# KiCad board Backplane_v2.kicad_pcb (continued)
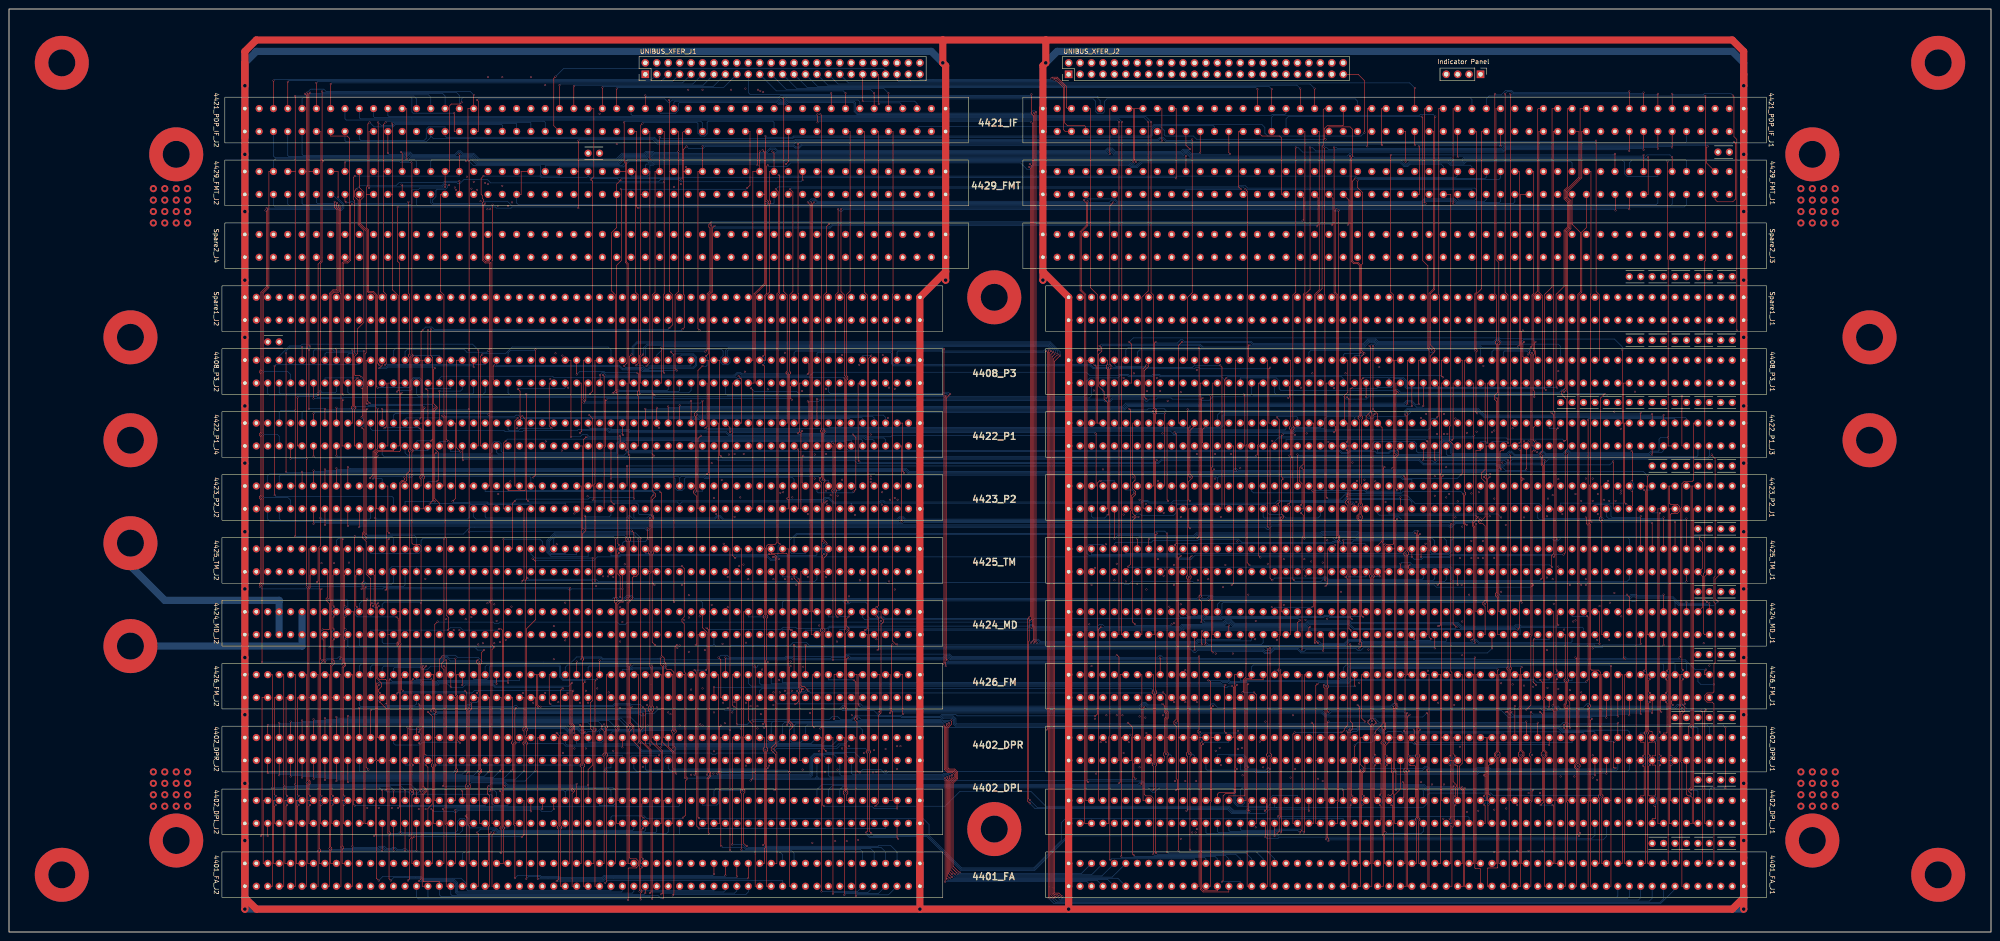
[diagram p0: board, top side]
## Routing (per net, layer and track width the routed paths; a pad name or vN(x,y) marks a point on that pad's centre or on a via; arc(x,y) is an arc through that point) (continued)
B2IO: length 51
  F.SigTop w0.127: 4429_FMT_J1.15 v2(362.88,172.59) ; v2(321.6,172.08) 4421_PDP_IF_J1.42
  B.Sig.Top w0.127: v2(362.88,172.59) 362.62,172.34 321.73,172.34 321.6,172.21 v2(321.6,172.08)
B2MDI: length 69.7
  F.SigTop w0.127: v2(320.58,161.8) 320.58,182.88 4421_PDP_IF_J1.41
  B.Sig.Top w0.127: v2(320.58,161.8) 320.84,161.54 365.67,161.54 366.05,161.93 4429_FMT_J1.14
BH2HD: length 322.2
  F.SigTop w0.127: v2(363.89,172.08) 363.89,163.83 4429_FMT_J1.16
  B.Sig.Top w0.127: 4421_PDP_IF_J2.96 58.71,172.34 59.09,171.96 87.92,171.96 88.17,172.21 88.43,172.21 88.94,171.7 102.52,171.7 103.8,170.43 135.42,170.43 136.69,171.7 141.64,171.7 142.02,172.08 142.4,172.08 142.66,171.83 319.95,171.83 320.46,171.32 322.62,171.32 323.12,171.83 363.64,171.83 v2(363.89,172.08)
BL2HD: length 210
  F.SigTop w0.127: v2(261.27,172.34) 4429_FMT_J1.79
  B.Sig.Top w0.127: 4421_PDP_IF_J2.94 61.88,172.47 62.14,172.21 87.79,172.21 88.05,172.47 88.68,172.47 89.19,171.96 102.65,171.96 103.92,170.69 135.29,170.69 136.56,171.96 141.51,171.96 141.89,172.34 142.53,172.34 142.78,172.08 261.02,172.08 v2(261.27,172.34)
BPPENB*: length 267.6
  F.SigTop w0.127: v2(130.08,77.85) 130.08,99.06 4423_P2_J2.57 ; 4425_TM_J1.12 v2(372.4,77.85)
  B.Sig.Top w0.127: v2(130.08,77.85) 130.34,77.6 194.73,77.6 194.98,77.34 196,77.34 196.25,77.6 247.31,77.6 247.69,77.22 248.57,77.22 249.21,77.85 262.8,77.85 263.05,77.6 372.15,77.6 v2(372.4,77.85)
BS2A1: length 310.6
  F.SigTop w0.127: 4401_FA_J1.7 378.5,15.24 378.5,50.67 378.12,51.05 376.97,51.05 376.46,51.56 376.46,52.58 376.97,53.09 378.24,53.09 378.5,53.34 v2(378.5,54.99) 378.5,59.56 378.75,59.82 378.75,73.02 378.5,73.28 378.5,78.74 378.75,78.99 378.75,105.16 377.99,105.92 v2(377.99,106.04) ; v2(188.76,104.52) 188.5,104.77 188.5,121.92 4408_P3_J2.12
  B.Sig.Top w0.127: 4426_FM_J1.9 374.94,55.63 375.58,54.99 v2(378.5,54.99) ; v2(188.76,104.52) 189.01,104.27 255.05,104.27 255.81,105.03 313.09,105.03 314.11,104.01 330.11,104.01 330.36,103.76 331.76,103.76 332.01,104.01 333.16,104.01 333.28,104.14 340.9,104.14 341.79,105.03 377.1,105.03 377.99,105.92 v2(377.99,106.04)
BS2A2: length 304.3
  F.SigTop w0.127: 4426_FM_J1.11 371.13,57.15 371.13,50.04 v2(371.38,49.78) ; v2(375.7,49.15) 375.96,48.89 375.96,15.24 4401_FA_J1.9 ; v2(208.32,60.33) 208.06,60.58 208.06,118.57 v2(208.95,119.46)
  B.Sig.Top w0.127: v2(371.38,49.78) 372.02,49.15 v2(375.7,49.15) ; v2(208.32,60.33) 208.57,60.07 372.15,60.07 372.4,59.82 4426_FM_J1.11 ; v2(208.95,119.46) 208.53,119.89 207.55,119.89 207.3,119.63 182.28,119.63 181.9,120.01 4408_P3_J2.18
BS2M1: length 135.4
  F.Sig.In w0.127: v2(171.87,97.66) 172.25,97.28 172.25,95.12 172.76,94.62 172.76,78.23 173.01,77.98 173.01,60.58 v2(173.52,60.07) ; v2(240.32,59.05) 4426_FM_J1.115
  B.Sig.In w0.127: v2(173.52,60.07) 182.66,60.07 182.79,59.94 206.16,59.94 207.55,58.55 208.44,58.55 208.82,58.93 240.19,58.93 v2(240.32,59.05) ; 4423_P2_J2.45 146.34,97.79 146.59,97.54 151.55,97.54 151.93,97.15 155.48,97.15 155.87,97.54 170.47,97.54 170.98,98.04 171.49,98.04 v2(171.87,97.66)
BS2M2: length 147.1
  F.Sig.In w0.127: 4423_P2_J2.46 147.36,93.98 147.36,73.91 147.1,73.66 147.1,72.77 147.36,72.52 147.36,48.89 v2(146.85,48.39) ; v2(241.08,47.37) 240.32,48.13 4426_FM_J1.116
  B.Sig.In w0.127: v2(146.85,48.39) 147.23,48.77 155.36,48.77 156.37,47.75 186.47,47.75 186.6,47.62 187.74,47.62 187.87,47.75 240.7,47.75 v2(241.08,47.37)
BUF2CLK: length 93.3
  F.SigTop w0.127: v2(382.94,175.51) 383.32,175.13 383.32,162.81 382.69,162.18 379.26,162.18 378.75,162.69 4429_FMT_J1.6 ; 4421_PDP_IF_J1.48 v2(312.07,174.75)
  B.Sig.Top w0.127: v2(382.94,175.51) 382.43,175.01 312.33,175.01 v2(312.07,174.75)
BUSA01*: length 91.9
  F.SigTop w0.127: v2(58.71,189.1) 4421_PDP_IF_J2.95
  B.Sig.Top w0.127: UNIBUS_XFER_J1.3 142.66,189.36 58.96,189.36 v2(58.71,189.1)
BUSA02*: length 91.1
  F.SigTop w0.127: 4421_PDP_IF_J2.93 v2(61.88,188.85)
  B.Sig.Top w0.127: UNIBUS_XFER_J1.5 144.94,189.1 62.14,189.1 v2(61.88,188.85)
BUSA03*: length 87.1
  F.SigTop w0.127: v2(68.24,188.59) 4421_PDP_IF_J2.89
  B.Sig.Top w0.127: v2(68.24,188.59) 68.49,188.85 147.23,188.85 UNIBUS_XFER_J1.7
BUSA04*: length 86.4
  F.SigTop w0.127: 4421_PDP_IF_J2.87 v2(71.41,188.34)
  B.Sig.Top w0.127: v2(71.41,188.34) 71.66,188.59 149.51,188.59 UNIBUS_XFER_J1.9
BUSA05*: length 38
  F.SigTop w0.127: v2(122.21,188.09) 4421_PDP_IF_J2.55
  B.Sig.Top w0.127: UNIBUS_XFER_J1.11 151.8,188.34 122.46,188.34 v2(122.21,188.09)
BUSA06*: length 37.2
  F.SigTop w0.127: 4421_PDP_IF_J2.53 v2(125.38,187.83)
  B.Sig.Top w0.127: v2(125.38,187.83) 125.64,188.09 154.09,188.09 UNIBUS_XFER_J1.13
BUSA07*: length 33.2
  F.SigTop w0.127: v2(131.74,187.58) 4421_PDP_IF_J2.49
  B.Sig.Top w0.127: UNIBUS_XFER_J1.15 156.37,187.83 131.99,187.83 v2(131.74,187.58)
BUSA08*: length 32.4
  F.SigTop w0.127: 4421_PDP_IF_J2.47 v2(134.91,187.32)
  B.Sig.Top w0.127: UNIBUS_XFER_J1.17 158.66,187.58 135.16,187.58 v2(134.91,187.32)
BUSA09*: length 26.3
  F.SigTop w0.127: v2(182.54,186.31) 4421_PDP_IF_J2.17
  B.Sig.Top w0.127: v2(182.54,186.31) 182.54,186.06 164.5,186.06 164.12,186.44 UNIBUS_XFER_J1.19
BUSA10*: length 24.2
  F.SigTop w0.127: v2(185.71,186.31) 4421_PDP_IF_J2.15
  B.Sig.Top w0.127: v2(185.71,186.31) 185.2,186.82 170.34,186.82 UNIBUS_XFER_J1.21
BUSA11*: length 28
  F.SigTop w0.127: v2(192.06,186.31) 4421_PDP_IF_J2.11
  B.Sig.Top w0.127: UNIBUS_XFER_J1.23 172.63,187.07 191.3,187.07 v2(192.06,186.31)
BUSA12*: length 28.7
  F.SigTop w0.127: v2(195.24,186.31) 4421_PDP_IF_J2.9
  B.Sig.Top w0.127: v2(195.24,186.31) 194.22,187.32 174.92,187.32 UNIBUS_XFER_J1.25
BUSA13*: length 108.6
  F.SigTop w0.127: v2(277.15,187.2) 4421_PDP_IF_J1.69
  B.Sig.Top w0.127: v2(277.15,187.2) 276.77,187.58 177.2,187.58 UNIBUS_XFER_J1.27
BUSA14*: length 109.2
  F.SigTop w0.127: v2(280.32,187.2) 280.32,182.88
  B.Sig.Top w0.127: UNIBUS_XFER_J1.29 179.49,187.83 279.69,187.83 v2(280.32,187.2)
BUSA15*: length 113.1
  F.SigTop w0.127: v2(286.68,187.32) 4421_PDP_IF_J1.63
  B.Sig.Top w0.127: UNIBUS_XFER_J1.31 181.77,188.09 285.91,188.09 v2(286.68,187.32)
BUSA16*: length 113.7
  F.SigTop w0.127: v2(289.85,187.32) 4421_PDP_IF_J1.61
  B.Sig.Top w0.127: v2(289.85,187.32) 288.83,188.34 184.06,188.34 UNIBUS_XFER_J1.33
BUSA17*: length 133.5
  F.SigTop w0.127: v2(312.07,187.45) 4421_PDP_IF_J1.47
  B.Sig.Top w0.127: v2(312.07,187.45) 310.93,188.59 186.35,188.59 UNIBUS_XFER_J1.35
BUSBBSY*: length 50.5
  F.SigTop w0.127: v2(232.45,189.1) 232.57,189.1 234.1,187.58 234.1,178.18 234.48,177.8 4421_PDP_IF_J1.96
  B.Sig.Top w0.127: UNIBUS_XFER_J1.45 197.14,189.23 197.52,188.85 232.19,188.85 v2(232.45,189.1)
BUSBGIN: length 40.7
  F.SigTop w0.127: v2(231.43,189.61) 231.68,189.87 232.7,189.87 234.73,187.83 234.73,183.13 234.99,182.88 4421_PDP_IF_J1.95
  B.Sig.Top w0.127: v2(231.43,189.61) 231.18,189.36 202.22,189.36 UNIBUS_XFER_J1.49
BUSBGOUT: length 119.3
  F.SigTop w0.127: v2(300.9,177.55) 300.9,189.1 299.5,190.5 UNIBUS_XFER_J2.49
  B.Sig.Top w0.127: v2(300.9,177.55) 300.14,176.78 279.44,176.78 278.8,177.42 278.8,178.69 278.17,179.32 254.16,179.32 253.78,178.94 201.97,178.94 201.58,178.56 4421_PDP_IF_J2.6
BUSBR*: length 14
  F.SigTop w0.127: UNIBUS_XFER_J1.41 193.08,190.5 v2(193.08,183.9)
  B.Sig.Top w0.127: 4421_PDP_IF_J2.7 198.41,183.51 197.77,184.15 193.33,184.15 v2(193.08,183.9)
BUSC01*: length 163.8
  F.Sig.In w0.127: v2(131.1,181.74) 131.1,178.44 4421_PDP_IF_J2.50
  B.Sig.In w0.127: v2(131.1,181.74) 131.74,181.1 180.38,181.1 180.63,181.36 280.58,181.36 281.47,182.25 281.47,189.99 UNIBUS_XFER_J2.37
BUSD00*: length 137
  F.Sig.In w0.127: v2(106.33,189.87) 4421_PDP_IF_J2.65
  B.Sig.In w0.127: v2(106.33,189.87) 107.35,188.85 230.03,188.85 231.68,190.5 UNIBUS_XFER_J2.1
BUSD01*: length 137.5
  F.Sig.In w0.127: v2(109.51,189.87) 4421_PDP_IF_J2.63
  B.Sig.In w0.127: v2(109.51,189.87) 110.27,189.1 229.91,189.1 232.45,191.64 237.4,191.64 237.78,191.26 UNIBUS_XFER_J2.3
BUSD02*: length 133.3
  F.Sig.In w0.127: v2(115.86,189.87) 4421_PDP_IF_J2.59
  B.Sig.In w0.127: UNIBUS_XFER_J2.5 238.92,191.9 232.32,191.9 229.78,189.36 116.37,189.36 v2(115.86,189.87)
BUSD03*: length 130
  F.Sig.In w0.127: v2(119.04,188.09) 119.04,182.88
  B.Sig.In w0.127: v2(119.04,188.09) 119.54,188.59 240.95,188.59 UNIBUS_XFER_J2.7
BUSD04*: length 100.2
  F.Sig.In w0.127: v2(150.79,187.07) 4421_PDP_IF_J2.37
  B.Sig.In w0.127: UNIBUS_XFER_J2.9 243.24,188.34 152.06,188.34 v2(150.79,187.07)
BUSD05*: length 99.6
  F.Sig.In w0.127: v2(153.96,187.07) 4421_PDP_IF_J2.35
  B.Sig.In w0.127: v2(153.96,187.07) 154.98,188.09 245.53,188.09 UNIBUS_XFER_J2.11
BUSD06*: length 95.8
  F.Sig.In w0.127: v2(160.31,187.07) 4421_PDP_IF_J2.31
  B.Sig.In w0.127: v2(160.31,187.07) 161.07,187.83 247.81,187.83 UNIBUS_XFER_J2.13
BUSD07*: length 95.3
  F.Sig.In w0.127: v2(163.49,187.32) 4421_PDP_IF_J2.29
  B.Sig.In w0.127: UNIBUS_XFER_J2.15 250.1,187.58 163.74,187.58 v2(163.49,187.32)
BUSD08*: length 95.1
  F.Sig.In w0.127: 4421_PDP_IF_J2.27 166.28,183.26 v2(166.28,187.07)
  B.Sig.In w0.127: v2(166.28,187.07) 166.53,187.32 252.38,187.32 UNIBUS_XFER_J2.17
BUSD09*: length 99.4
  F.Sig.In w0.127: 4421_PDP_IF_J2.25 169.83,183.9 169.45,184.28 167.17,184.28 166.79,184.66 v2(166.79,186.82)
  B.Sig.In w0.127: v2(166.79,186.82) 167.04,187.07 254.67,187.07 UNIBUS_XFER_J2.19
BUSD10*: length 106.9
  F.Sig.In w0.127: v2(167.42,186.56) 167.3,186.44 167.3,184.91 167.68,184.53 175.55,184.53 176.19,183.9 4421_PDP_IF_J2.21
  B.Sig.In w0.127: v2(167.42,186.56) 167.68,186.82 256.96,186.82 UNIBUS_XFER_J2.21
BUSD11*: length 87
  B.Sig.In w0.127: UNIBUS_XFER_J2.23 259.24,186.56 196.38,186.56 195.62,185.8 182.28,185.8 4421_PDP_IF_J2.19
BUSD12*: length 9.5
  B.Sig.In w0.127: UNIBUS_XFER_J2.25 265.72,189.23 261.27,184.78 4421_PDP_IF_J1.79
BUSD13*: length 9.2
  B.Sig.In w0.127: 4421_PDP_IF_J1.77 264.45,185.42 268.26,189.23 UNIBUS_XFER_J2.27
BUSD14*: length 7.6
  B.Sig.In w0.127: UNIBUS_XFER_J2.29 4421_PDP_IF_J1.73
BUSD15*: length 7.9
  B.Sig.In w0.127: 4421_PDP_IF_J1.71 273.34,183.51 UNIBUS_XFER_J2.31
BUSINIT*: length 176.6
  B.Sig.In w0.127: 4421_PDP_IF_J2.54 127.29,175.89 144.56,175.89 144.94,176.28 160.94,176.28 161.83,177.16 161.83,179.83 162.34,180.34 180.76,180.34 181.01,180.59 287.18,180.59 288.58,181.99 UNIBUS_XFER_J2.43
BUSINTR*: length 19.4
  F.SigTop w0.127: v2(189.52,184.53) UNIBUS_XFER_J1.39
  B.Sig.Top w0.127: v2(189.52,184.53) 201.08,184.53 201.58,184.02 4421_PDP_IF_J2.5
BUSMSYN*: length 87.9
  F.SigTop w0.127: 4421_PDP_IF_J2.56 120.94,179.07 120.94,189.61 v2(121.32,189.99)
  B.Sig.Top w0.127: v2(121.32,189.99) 123.1,191.77 194.22,191.77 194.6,191.39 UNIBUS_XFER_J1.43
BUSNPGIN: length 51
  F.SigTop w0.127: v2(231.94,189.36) 232.19,189.61 232.57,189.61 234.35,187.83 234.35,179.7 234.99,179.07 238.8,179.07 239.05,178.82 4421_PDP_IF_J1.94
  B.Sig.Top w0.127: v2(231.94,189.36) 231.68,189.1 200.06,189.1 199.68,189.48 UNIBUS_XFER_J1.47
BUSNPGOUT: length 131.1
  B.Sig.In w0.127: 4421_PDP_IF_J2.22 177.33,178.94 294.04,178.94 294.68,179.58 294.68,190.37 294.55,190.5 UNIBUS_XFER_J2.47
BUSNPR*: length 144.9
  B.Sig.In w0.127: UNIBUS_XFER_J2.41 287.82,188.72 287.82,181.99 286.68,180.85 180.88,180.85 180.63,180.59 162.21,180.59 161.58,179.96 161.58,177.29 160.82,176.53 157.39,176.53 157.13,176.78 4421_PDP_IF_J2.34
BUSSACK*: length 136.1
  B.Sig.In w0.127: UNIBUS_XFER_J2.39 284.77,189.23 284.77,182.25 283.63,181.1 180.76,181.1 180.5,180.85 161.58,180.85 160.31,179.58 4421_PDP_IF_J2.32
BUSSSYN*: length 172.8
  F.Sig.In w0.127: v2(134.91,175.01) 4421_PDP_IF_J2.48
  B.Sig.In w0.127: v2(134.91,175.01) 135.55,175.64 144.69,175.64 145.07,176.02 161.07,176.02 162.09,177.04 162.09,178.69 162.6,179.2 290.74,179.2 291.12,179.58 UNIBUS_XFER_J2.45
CA3WRT: length 109.5
  F.SigTop w0.127: 4424_MD_J1.16 v2(367.32,63.75) ; 297.72,43.18 4402_DPR_J1.69 ; 297.72,43.18 297.72,29.21 4402_DPL_J1.69 ; 297.72,43.18 297.72,44.58 298.23,45.09 298.23,46.36 297.72,46.86 v2(297.72,63.88)
  B.Sig.Top w0.127: v2(297.72,63.88) 298.11,63.5 351.83,63.5 352.08,63.25 353.73,63.25 353.99,63.5 367.07,63.5 v2(367.32,63.75)
CB2A1E*: length 225.1
  F.Sig.In w0.127: v2(343.95,124.59) 343.19,123.82 343.19,115.82 343.44,115.57 343.44,113.03 4422_P1_J3.33
  B.Sig.In w0.127: 4408_P3_J2.56 133.64,122.68 133.89,122.94 184.31,122.94 184.95,123.57 248.32,123.57 249.34,124.59 263.18,124.59 263.43,124.33 264.2,124.33 264.45,124.59 v2(343.95,124.59)
CB2A2E*: length 166.3
  F.Sig.In w0.127: 4408_P3_J2.20 178.34,121.92 178.34,106.55 v2(178.85,106.04)
  B.Sig.In w0.127: v2(178.85,106.04) 179.36,105.54 275.75,105.54 276.9,106.68 295.44,106.68 295.82,106.3 306.36,106.3 306.74,106.68 307.88,106.68 308.52,106.04 310.04,106.04 310.42,106.43 310.42,108.46 310.93,108.97 311.95,108.97 312.46,108.46 312.46,107.19 312.84,106.81 321.6,106.81 4422_P1_J3.52
CB2A2M*: length 119.1
  F.SigTop w0.127: v2(279.94,125.35) 279.69,125.09 279.69,113.03 4422_P1_J3.83
  B.Sig.Top w0.127: 4408_P3_J2.19 179.36,128.52 179.61,128.78 195.62,128.78 195.87,128.52 195.87,126.24 196.38,125.73 240.07,125.73 240.7,125.09 263.18,125.09 263.43,125.35 264.2,125.35 264.45,125.09 279.69,125.09 v2(279.94,125.35)
CB14*: length 359.7
  F.SigTop w0.127: v2(230.8,129.29) v2(230.8,7.49)
  B.Sig.Top w0.127: 4401_FA_J1.14 369.86,9.52 366.68,6.35 231.94,6.35 v2(230.8,7.49) ; v2(230.8,129.29) 230.54,129.54 230.16,129.54 229.65,129.03 207.43,129.03 207.17,129.29 159.68,129.29 159.42,129.03 159.42,128.02 160.06,127.38 160.06,126.49 159.55,125.98 158.53,125.98 158.02,126.49 158.02,127.51 158.53,128.02 158.53,129.03 158.15,129.41 145.07,129.41 143.8,128.14 4408_P3_J2.47
CB15*: length 357.3
  F.SigTop w0.127: v2(144.82,129.79) 144.82,121.92 4408_P3_J2.48 ; v2(231.43,7.49) 231.05,7.87 231.05,128.78 v2(231.3,129.03)
  B.Sig.Top w0.127: v2(231.3,129.03) 231.3,129.41 230.67,130.05 145.07,130.05 v2(144.82,129.79) ; 4401_FA_J1.16 367.32,7.37 366.56,6.6 232.32,6.6 v2(231.43,7.49)
CB16*: length 352.2
  F.SigTop w0.127: v2(231.81,128.78) 231.3,128.27 231.3,8.25 v2(232.06,7.49)
  B.Sig.Top w0.127: v2(232.06,7.49) 232.7,6.86 364.14,6.86 364.78,7.49 4401_FA_J1.18 ; 4408_P3_J2.49 141.26,129.79 141.77,130.3 230.8,130.3 231.81,129.29 v2(231.81,128.78)
CB17*: length 356.5
  F.SigTop w0.127: v2(140.75,128.27) 140.24,127.76 140.24,121.92 4408_P3_J2.50 ; v2(232.57,7.87) 232.19,7.87 231.56,8.51 231.56,127.76 v2(232.32,128.52)
  B.Sig.Top w0.127: v2(232.57,7.87) 233.33,7.11 361.73,7.11 362.24,7.62 4401_FA_J1.20 ; v2(232.32,128.52) 232.32,129.16 230.92,130.56 141.64,130.56 140.88,129.79 140.88,128.4 v2(140.75,128.27)
CB18*: length 349.9
  F.SigTop w0.127: v2(233.21,7.87) 232.82,8.26 232.18,8.26 231.81,8.64 231.81,127.25 v2(232.83,128.27)
  B.Sig.Top w0.127: 4401_FA_J1.22 359.7,7.87 359.19,7.37 233.72,7.37 v2(233.21,7.87) ; v2(232.83,128.27) 232.83,129.03 231.05,130.81 139.48,130.81 138.72,130.05 4408_P3_J2.51
CB19*: length 354.3
  F.SigTop w0.127: v2(233.33,128.02) 232.06,126.75 232.06,8.76 232.19,8.64 233.08,8.64 v2(233.84,7.87) ; 4408_P3_J2.52 137.7,121.92 137.7,127.76 v2(138.21,128.27)
  B.Sig.Top w0.127: 4401_FA_J1.24 357.16,8 356.78,7.62 234.1,7.62 v2(233.84,7.87) ; v2(233.33,128.02) 233.33,128.9 231.18,131.06 139.36,131.06 138.34,130.05 138.34,128.4 v2(138.21,128.27)
CBCLKE*: length 76.9
  F.SigTop w0.127: 4422_P1_J3.115 241.34,113.03 241.34,125.6 v2(240.95,125.98) ; 4423_P2_J1.94 269.28,93.98 269.28,125.48 v2(268.89,125.86)
  B.Sig.Top w0.127: v2(240.95,125.98) 241.08,125.86 243.62,125.86 243.88,126.11 244.38,126.11 245.15,125.35 262.67,125.35 263.18,125.86 ; 263.18,125.86 v2(268.89,125.86) ; 263.18,125.86 4408_P3_J1.97
CTLCLK: length 68.5
  F.SigTop w0.127: 4421_PDP_IF_J1.50 310.04,177.8 v2(310.04,171.07)
  B.Sig.Top w0.127: v2(310.04,171.07) 310.3,171.32 319.69,171.32 320.2,170.81 322.87,170.81 323.38,171.32 358.3,171.32 358.68,170.94 358.68,168.4 359.32,167.77 366.05,167.77 4429_FMT_J1.13
DA2PNL: length 120.8
  F.Sig.In w0.127: v2(280.45,109.09) 279.94,109.6 279.94,124.59 280.96,125.6 4408_P3_J1.83
  B.Sig.In w0.127: v2(280.45,109.09) 280.32,109.22 179.61,109.22 179.36,108.97 4422_P1_J4.20
DA08*: length 193.8
  F.SigTop w0.127: 294.68,107.95 294.68,141.48 294.17,141.99 v2(294.17,174.24) ; 294.68,107.95 v2(294.68,87.5) ; 294.68,107.95 4422_P1_J3.74 ; 4421_PDP_IF_J1.12 v2(369.23,174.24)
  B.Sig.Top w0.127: 4425_TM_J1.53 319.06,87 318.43,87.63 299.25,87.63 298.99,87.88 295.18,87.88 294.8,87.5 v2(294.68,87.5) ; v2(294.17,174.24) 294.68,174.24 294.93,173.99 331.38,173.99 331.89,174.5 368.97,174.5 v2(369.23,174.24)
DA09*: length 204.5
  F.SigTop w0.127: 292.14,107.95 v2(292.14,78.11) ; 292.14,107.95 4422_P1_J3.76 ; 292.14,107.95 292.14,141.48 292.01,141.61 v2(292.01,174.24) ; 4421_PDP_IF_J1.14 v2(366.05,173.99)
  B.Sig.Top w0.127: v2(366.05,173.99) 365.8,174.24 332.01,174.24 331.51,173.74 293.02,173.74 292.52,174.24 v2(292.01,174.24) ; 4425_TM_J1.54 319.06,78.23 318.68,77.85 292.39,77.85 v2(292.14,78.11)
DA10*: length 198.8
  F.SigTop w0.127: v2(288.83,174.24) 288.83,142.75 287.56,141.48 287.56,107.95 ; 4421_PDP_IF_J1.16 v2(362.88,173.74) ; 287.56,107.95 v2(287.56,87.38) ; 287.56,107.95 4422_P1_J3.78
  B.Sig.Top w0.127: 4425_TM_J1.55 316.52,86.87 316.01,87.38 299.12,87.38 298.87,87.63 295.56,87.63 294.93,87 294.42,87 293.79,87.63 287.82,87.63 v2(287.56,87.38) ; v2(362.88,173.74) 362.62,173.99 332.14,173.99 331.63,173.48 290.1,173.48 289.34,174.24 v2(288.83,174.24)
DA11*: length 210.4
  F.SigTop w0.127: 285.02,107.95 285.02,111.51 285.28,111.76 285.28,112.14 285.02,112.39 285.02,141.48 285.66,142.11 v2(285.66,174.24) ; 285.02,107.95 285.02,78.36 v2(285.28,78.11) ; 285.02,107.95 4422_P1_J3.80 ; 4421_PDP_IF_J1.18 v2(359.7,173.48)
  B.Sig.Top w0.127: 4425_TM_J1.56 316.52,78.49 316.14,78.11 292.77,78.11 292.26,78.61 292.01,78.61 291.25,77.85 285.53,77.85 v2(285.28,78.11) ; v2(359.7,173.48) 359.45,173.74 332.27,173.74 331.76,173.23 287.18,173.23 286.17,174.24 v2(285.66,174.24)
DA12*: length 189
  F.SigTop w0.127: v2(314.74,109.09) 315,108.84 315,85.09 4425_TM_J1.57 313.47,84.58 v2(313.47,83.31) ; 4421_PDP_IF_J1.24 349.16,177.8 349.16,167.51 345.98,164.34 345.98,163.19 346.75,162.43 346.75,156.21 345.98,155.45 345.98,107.31 345.48,106.81 345.48,84.2 v2(345.1,83.82)
  B.Sig.Top w0.127: v2(345.1,83.82) 320.08,83.82 319.69,83.44 313.6,83.44 v2(313.47,83.31) ; 4422_P1_J3.82 283.5,109.35 314.49,109.35 v2(314.74,109.09)
DA13*: length 205.7
  F.SigTop w0.127: 4422_P1_J3.84 279.94,107.95 279.94,78.61 v2(280.45,78.11) ; v2(345.22,109.09) 345.48,109.09 345.73,109.35 345.73,118.36 344.71,119.38 344.71,120.01 345.48,120.78 345.48,155.7 346.24,156.46 346.24,162.18 345.48,162.94 345.48,164.59 348.52,167.64 348.52,177.8 4421_PDP_IF_J1.26
  B.Sig.Top w0.127: v2(280.45,78.11) 280.96,78.61 291.63,78.61 291.88,78.87 292.39,78.87 292.9,78.36 313.73,78.36 313.98,78.61 4425_TM_J1.58 ; 4422_P1_J3.84 280.96,108.97 281.72,109.73 332.39,109.73 332.65,109.47 344.84,109.47 v2(345.22,109.09)
DA14*: length 189.3
  F.SigTop w0.127: v2(311.44,83.31) 4425_TM_J1.59 ; v2(342.94,83.31) 343.19,83.57 343.19,115.44 342.94,115.7 342.94,141.48 342.81,141.61 342.81,177.8 343.82,177.8 ; 4422_P1_J3.86 277.4,107.95 277.4,83.57 v2(277.79,83.18)
  B.Sig.Top w0.127: v2(277.79,83.18) 277.91,83.31 v2(311.44,83.31) 311.95,82.8 313.6,82.8 313.98,83.18 319.82,83.18 320.2,83.57 342.68,83.57 v2(342.94,83.31)
DA15*: length 199
  F.SigTop w0.127: 4421_PDP_IF_J1.30 339.63,177.8 339.63,142.12 340.4,141.35 340.4,106.81 339.89,106.3 339.89,105.66 340.14,105.41 340.14,103.76 340.4,103.5 340.4,78.61 v2(340.14,78.36) ; v2(310.93,81.53) 310.68,81.28 310.68,80.77 4425_TM_J1.60 ; 4422_P1_J3.88 274.86,107.95 274.86,82.04 v2(275.37,81.53)
  B.Sig.Top w0.127: v2(275.37,81.53) 275.63,81.28 310.68,81.28 v2(310.93,81.53) 311.19,81.28 319.95,81.28 320.33,80.9 320.33,78.23 320.46,78.11 339.89,78.11 v2(340.14,78.36)
DALD*: length 88.2
  F.SigTop w0.127: 4422_P1_J4.19 v2(179.36,118.36) ; v2(252.51,118.36) 252,118.87 252,124.65 253.02,125.67 4408_P3_J1.105
  B.Sig.Top w0.127: v2(252.51,118.36) 252.26,118.62 244.89,118.62 244.38,118.11 243.37,118.11 243.11,118.36 v2(179.36,118.36)
DBLSW*: length 240.2
  F.Sig.In w0.127: v2(356.4,115.57) 356.14,115.82 356.14,127 4408_P3_J1.23
  B.Sig.In w0.127: v2(356.4,115.57) 356.14,115.32 343.06,115.32 342.56,115.82 326.68,115.82 326.17,116.33 310.04,116.33 309.54,116.84 302.04,116.84 301.28,116.08 270.42,116.08 269.02,114.68 194.85,114.68 194.6,114.43 163.36,114.43 162.98,114.05 132.12,114.05 4422_P1_J4.57
DCHO01*: length 192.6
  F.SigTop w0.127: 4424_MD_J1.27 353.1,71.12 v2(353.1,64.01) ; 293.02,182.88 292.01,182.88 291.75,182.63 291.75,174.75 291.5,174.5 291.5,142.88 290.1,141.48 290.1,64.64 v2(290.61,64.13)
  B.Sig.Top w0.127: v2(290.61,64.13) 290.87,63.88 296.58,63.88 297.47,64.77 300.01,64.77 300.52,64.26 324.77,64.26 325.28,64.77 325.54,64.77 326.3,64.01 v2(353.1,64.01)
DE07*: length 48.7
  F.SigTop w0.127: v2(340.01,28.19) 340.65,28.83 340.65,38.74 341.16,39.24 341.16,39.75 340.65,40.26 340.65,51.43 340.4,51.69 340.4,55.5 v2(339.89,56.01) ; 4401_FA_J1.35 342.94,15.24 342.94,27.94 v2(342.68,28.19)
  B.Sig.Top w0.127: v2(342.68,28.19) v2(340.01,28.19) ; 4426_FM_J1.35 341.92,56.01 v2(339.89,56.01)
DE08*: length 44.5
  F.SigTop w0.127: 4401_FA_J1.51 322.62,15.24 322.62,31.5 321.98,32.13 321.98,36.83 322.62,37.47 322.62,57.15 4426_FM_J1.51
DE09*: length 44.6
  F.SigTop w0.127: v2(319.82,38.99) 320.08,39.24 320.08,57.15 4426_FM_J1.53 ; v2(319.82,37.21) 320.08,36.96 320.08,25.4 v2(319.82,25.15) ; 4401_FA_J1.53 320.08,15.24 v2(320.08,23.5)
  B.Sig.Top w0.127: v2(319.82,37.21) 320.08,37.47 320.08,38.74 v2(319.82,38.99) ; v2(319.82,25.15) 320.08,24.89 v2(320.08,23.5)
DE10*: length 44.5
  F.SigTop w0.127: 4426_FM_J1.55 317.79,57.15 317.79,15.24 4401_FA_J1.55
DE11*: length 49.5
  F.SigTop w0.127: 4426_FM_J1.57 315.25,57.15 315.25,10.16 4401_FA_J1.56
DMA00*: length 146.7
  F.SigTop w0.127: 4421_PDP_IF_J1.62 290.87,177.8 290.87,142.62 289.85,141.61 289.85,64.26 v2(289.98,64.13)
  B.Sig.Top w0.127: 4424_MD_J1.54 319.06,64.64 318.93,64.52 300.64,64.52 300.14,65.02 297.34,65.02 296.45,64.13 291.25,64.13 290.74,64.64 290.49,64.64 v2(289.98,64.13)
DMA01*: length 150.9
  F.SigTop w0.127: v2(316.52,62.99) 4424_MD_J1.56 ; v2(286.8,94.87) 287.06,95.12 287.06,99.57 286.55,100.08 286.55,103.12 287.31,103.89 287.31,141.61 287.69,141.99 287.69,177.8 4421_PDP_IF_J1.64 ; v2(287.06,62.74) 287.06,87.63 287.31,87.88 287.31,92.58 v2(286.8,93.09)
  B.Sig.Top w0.127: v2(286.8,94.87) 287.31,94.36 287.31,93.6 v2(286.8,93.09) ; v2(287.06,62.74) 287.31,62.99 298.99,62.99 299.5,62.48 300.01,62.48 300.77,63.25 316.27,63.25 v2(316.52,62.99)
DMA02*: length 150
  F.SigTop w0.127: v2(313.73,181.1) 313.85,180.97 313.85,149.1 315,147.95 315,129.54 315.25,129.29 315.25,84.96 315,84.71 315,66.04 4424_MD_J1.58
  B.Sig.Top w0.127: v2(313.73,181.1) 284.01,181.1 283.5,180.59 4421_PDP_IF_J1.66
DMA03*: length 162.9
  F.SigTop w0.127: v2(311.95,65.02) 311.95,65.53 4424_MD_J1.60 ; v2(315.76,65.02) 315.25,65.53 315.25,84.58 315.5,84.84 315.5,127.89 316.52,128.9 316.52,129.41 315.5,130.43 315.5,141.73 316.52,142.75 316.52,180.97 v2(316.65,181.1)
  B.Sig.Top w0.127: v2(315.76,65.02) 315.5,64.77 312.2,64.77 v2(311.95,65.02) ; v2(316.65,181.1) 316.14,181.61 313.35,181.61 313.09,181.36 280.71,181.36 280.32,180.97 280.32,177.8
DMA04*: length 216.3
  F.SigTop w0.127: v2(197.14,63.88) 196.89,63.88 196.12,64.64 196.12,141.61 196.25,141.73 196.25,177.8 4421_PDP_IF_J2.10 ; v2(264.83,66.8) 264.7,66.67 264.7,64.01 v2(264.83,63.88)
  B.Sig.Top w0.127: v2(197.14,63.88) 197.27,63.75 264.7,63.75 v2(264.83,63.88) ; v2(264.83,66.8) 265.08,67.06 293.66,67.06 4424_MD_J1.74
DMA05*: length 222
  F.SigTop w0.127: 4424_MD_J1.76 291.75,65.4 v2(291.75,62.48) ; v2(192.57,72.14) 192.69,72.14 193.08,72.52 193.08,177.8 4421_PDP_IF_J2.12 ; v2(192.57,70.1) 192.69,70.1 193.08,69.72 193.08,62.87 v2(192.82,62.61)
  B.Sig.Top w0.127: v2(192.57,70.1) 192.69,70.1 193.08,70.49 193.08,71.75 192.69,72.14 v2(192.57,72.14) ; v2(291.75,62.48) 291.5,62.74 287.94,62.74 287.44,62.23 286.93,62.23 286.17,62.99 280.83,62.99 279.94,62.1 278.93,62.1 278.42,62.61 263.94,62.61 263.43,62.1 263.05,62.1 262.29,62.87 193.08,62.87 v2(192.82,62.61)
DMA06*: length 213.3
  F.SigTop w0.127: v2(190.03,67.06) 190.15,67.06 190.54,67.44 190.54,141.48 189.9,142.11 189.9,177.8 4421_PDP_IF_J2.14 ; v2(288.83,67.82) 288.58,67.56 4424_MD_J1.78
  B.Sig.Top w0.127: v2(288.83,67.82) 288.58,67.56 260.77,67.56 260.26,67.06 v2(190.03,67.06)
DMA07*: length 213.6
  F.SigTop w0.127: v2(286.55,69.22) 286.04,68.71 4424_MD_J1.80 ; 4421_PDP_IF_J2.16 186.73,177.8 186.73,142.37 185.96,141.61 185.96,123.57 186.22,123.32 186.22,122.81 185.96,122.56 185.96,73.53 v2(186.22,73.28)
  B.Sig.Top w0.127: v2(186.22,73.28) 186.47,73.53 259.24,73.53 259.62,73.15 259.62,70.36 260.13,69.85 264.83,69.85 265.34,69.34 269.15,69.34 269.4,69.6 286.17,69.6 v2(286.55,69.22)
DMA08*: length 255.5
  F.SigTop w0.127: v2(228.13,64.26) 228,64.39 v2(228,182.12)
  B.Sig.Top w0.127: 4424_MD_J1.86 278.42,64.26 278.04,63.88 266.23,63.88 265.72,64.39 264.07,64.39 263.69,64.01 228.38,64.01 v2(228.13,64.26) ; v2(228,182.12) 227.75,182.37 227.24,182.37 226.73,181.86 188.38,181.86 187.87,182.37 187.87,184.28 187.62,184.53 172.88,184.53 172.38,184.02 170.98,184.02 170.47,184.53 147.86,184.53 147.61,184.28 4421_PDP_IF_J2.39
DMA09*: length 256.6